# Altium PCB RT1064_V1PCB.PcbDoc (part 2 of 2)
Units mil, origin at the board's own origin, x right, y up, seen from the top; angles counter-clockwise.
Board outline 5700.03 x 3825.07 mil, 4 copper layers (TOP, GND 2, PWR, BOTTOM), stack 23.756 mil thick; 132 components, 133 nets, 526 pads, 141 vias.
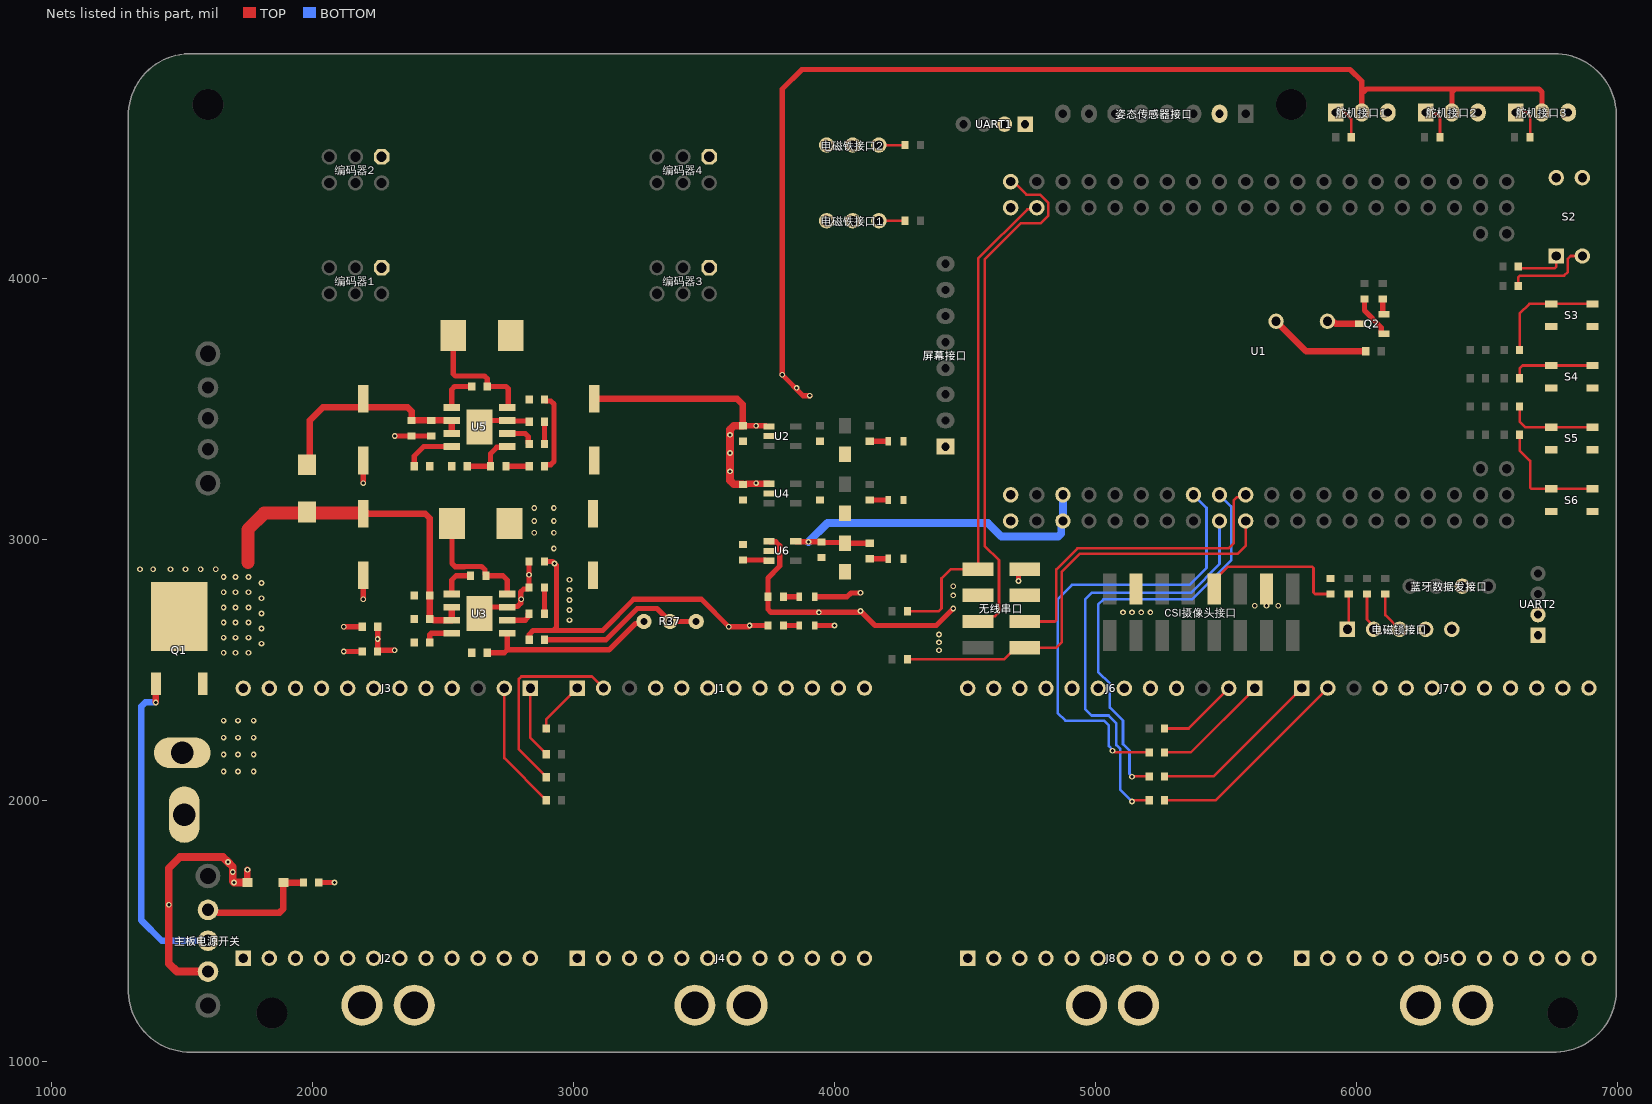
[diagram p4: the nets of this part, all layers, seen from the top]

## Via types
v1: diameter 22, hole 12, TOP to BOTTOM, tented both sides, 141 vias

## Nets (pads, with @x,y where several pads share a name; then routed paths per layer and width w, separated by ;. In a path a pad name is that pad's centre, name@x,y a point inside that pad or via, vN(x,y) a via of type N, cw(c..) or ccw(c..) an arc to the next point about the centre after c; other vN are vias at no path point) (continued)
D13: R13.1 U1.16 | length 1816.6
  TOP w10: v1(5065,2190) 5068.25,2190 5074.91,2183.34 R13.1@5205.48,2183.34
  BOTTOM w10: v1(5065,2190) 5065,2193.25 5051,2207.25 5051,2285.77 5031.77,2305 4885,2305 4855,2335 4855,2770 4910,2825 5360,2825 5425,2890 5425,3120 U1.16@5375,3170
D14: R12.1 U1.17 | length 1684
  TOP w10: v1@5145,2000 R12.1@5205.48,2000
  BOTTOM w10: v1(5140,1995) 5095,2040 5095,2196.77 5080,2211.77 5080,2295 5050,2325 4985,2325 4960,2350 4960,2770 4985,2795 5365,2795 5475,2905 U1.17@5475,3070
D15: R11.1 U1.18 | length 1623.7
  TOP w10: v1@5145,2090 5146.67,2091.67 R11.1@5205.47,2091.67
  BOTTOM w10: v1(5140,2090) 5140,2091.86 5130,2101.86 5130,2190.05 5105,2215.05 5105,2305 5054.76,2355.24 5054.76,2447.26 5010,2492.03 5010,2750 5030,2770 5370,2770 5519.53,2919.53 5519.53,3070 5519.53,3125.47 U1.18@5475,3170
D16: R6.1 U1.19 无线串口.1 | length 1728.8
  TOP w10: R6.1@4279.58,2540 4650.28,2540 4695.28,2585 无线串口.1@4728.74,2585 4850,2585 4870,2605 4870,2875 4940,2945 5545,2945 5575,2975 U1.19@5575,3070
D17: U1.20 无线串口.3 | length 1257.5
  TOP w10: 无线串口.3@4728.74,2685 4844.14,2685 4850,2690.86 4850,2885 4930,2965 5510,2965 5530,2985 5530,3150 5541.01,3161.01 5566.01,3161.01 U1.20@5575,3170
D26: U1.84 无线串口.4 | length 2010.1
  TOP w10: 无线串口.4@4550,2685 4570.59,2705.59 4615.27,2705.59 4630,2720.32 4630,2920 4575,2975 4575,4071.72 4713.28,4210 4790,4210 4819.53,4239.53 4819.53,4288.44 4787.97,4320 4735,4320 4685,4370 U1.84@4675,4370
D27: R7.1 U1.81 无线串口.8 | length 1929.7
  TOP w10: R7.1@4279.53,2724.03 4399.02,2724.03 4410,2735 4410,2850 4445,2885 无线串口.8@4550,2885 ; 无线串口.8@4579.41,2885 无线串口.8@4550,2885 ; U1.81@4775,4270 4768.51,4263.51 4738.51,4263.51 4550,4075 无线串口.8@4550,2885
GND: 3V3电源指示灯.C 5V*EXT电源指示灯.C 5V电源指示灯.C C1.2 C2.1 C6.2 C7.1 C8.1 C13.2 C14.1 C15.1 C17.2 C18.1 C22.1 CSI_3V3电源指示灯.C CSI摄像头接口.3 CSI摄像头接口.13 R4.2 R43.1 R44.1 R45.1 R46.2 R47.2 S2.3 S2.4 S3.1 S4.1 S5.1 S6.1 U1.1 U1.2 U1.83 U2.2 U4.2 U5.0 U5.7 U6.2 UART1.2 UART2.2 姿态传感器接口.2 屏幕接口.1 无线串口.5 无线串口.6 编码器1.1 编码器2.1 编码器3.1 编码器4.1 蓝牙数据发接口.2 | length 546.1
  TOP w20: R46.2@2249.95,2570 R46.2@2249.95,2571.22 ; R47.2@2250,2665 2249.97,2571.25 2253.73,2575 v1(2315,2575) ; U5.0@2640,3430 2665,3455 U5.7@2746.3,3455 2748.8,3452.5 2827.88,3452.5 C22.1@2830.38,3450.01 ; 5V*EXT电源指示灯.C@3924.53,2780 4048.46,2780 4063.08,2794.62 4099.62,2794.62 v1(4100,2795)
  other v1: 4400,2575 4400,2605 2249.97,2618.11 4400,2635 5105,2720 5140,2720 5175,2720 5210,2720 5610,2745 5655,2745 5700,2745 4455,2785 4455,2820
M1+: J2.4 J2.5 J2.6 P5.1
M1-: J2.7 J2.8 J2.9 P5.2
M2+: J4.4 J4.5 J4.6 P10.1
M2-: J4.7 J4.8 J4.9 P10.2
M3+: J8.4 J8.5 J8.6 P17.1
M3-: J8.7 J8.8 J8.9 P17.2
M4+: J5.4 J5.5 J5.6 P13.1
M4-: J5.7 J5.8 J5.9 P13.2
NetB1_1: B1.1 R19.1 | length 391.5
  TOP w25: B1.1@5691.57,3835 5806.57,3720 R19.1@6035.47,3720
NetB1_2: B1.2 Q2.3 | length 130.4
  TOP w25: B1.2@5888.43,3835 5894.94,3828.48 5916.61,3828.48 5920.1,3825 Q2.3@6014.72,3825
NetC3_1: C3.1 L1.1 U3.8 | length 457.1
  TOP w20: L1.1@2534.76,3060 2534.76,2906.72 2546.48,2895 2582.66,2895 2583.41,2895.74 2648.29,2895.74 2660.75,2883.28 2660.75,2864.72 2665,2860.47 C3.1@2664.53,2860 2730,2860 2746.3,2843.7 U3.8@2746.3,2790
NetC3_2: C3.2 U3.1 | length 132.2
  TOP w20: U3.1@2533.7,2790 2533.7,2843.7 2550,2860 C3.2@2605.47,2860
NetC12_2: C12.2 R36.1 | length 100
  TOP w20: R36.1@2889.28,2714.99 C12.2@2889.28,2815
NetC16_1: C16.1 L2.1 U5.8 | length 470.3
  TOP w20: L2.1@2539.76,3780 2539.76,3633.79 2548.55,3625 2659.05,3625 2669.53,3614.53 C16.1@2669.53,3585 2741.21,3585 2750,3576.21 2750,3508.7 U5.8@2746.3,3505
NetC16_2: C16.2 U5.1 | length 150.2
  TOP w20: U5.1@2533.7,3505 2533.7,3573.7 2545,3585 C16.2@2610.47,3585
NetC19_1: C19.1 C20.2 C21.2 D2.K U5.2 U5.3 | length 863
  TOP w25: D2.K@1990,3295.55 1990,3455 2040,3505 C19.1@2195,3505 ; C19.1@2195,3538.11 C19.1@2195,3505 ; C20.2@2380,3454.53 2380,3490.36 2365.35,3505 C19.1@2195,3505 ; C20.2@2380,3455 2455,3455 U5.2@2533.7,3455 U5.3@2533.7,3405
  TOP w30: D2.K@1980,3285.55 D2.K@1990,3295.55
NetC22_2: C22.2 R41.1 | length 85
  TOP w20: R41.1@2889.44,3365 C22.2@2889.44,3450.01
NetD1_A: D1.A R16.2 主板电源开关.1 | length 433.3
  TOP w25: 1638.57,1570 1874.25,1570 1888.9,1584.64 D1.A@1888.9,1685 R16.2@1965.47,1685
NetD1_K: D1.K Q1.3 主板电源开关.3 总电源接口.1 | length 967.9
  TOP w25: D1.K@1751.1,1685 v1(1751.1,1733.9)
  TOP w30: 主板电源开关.3@1600,1343.86 1481.14,1343.86 1450,1375 v1(1450,1600) 1450,1740 1492.24,1782.24 1657.76,1782.24 v1(1676.38,1763.62) 1695,1745 1695,1690 v1(1700,1685) D1.K@1751.1,1685
  other v1: 1695,1725 1660,2110 1715,2110 1775,2110 1660,2175 1715,2175 1775,2175 1660,2240 1715,2240 1775,2240 1660,2305 1715,2305 1775,2305
NetJ1_1: J1.1 R2.2 | length 214.4
  TOP w10: R2.2@2895.47,2265 2895.47,2310.35 J1.1@3015,2429.88
NetJ1_2: J1.2 R3.2 | length 766.4
  TOP w10: R3.2@2895.47,2088.33 2895.47,2090.3 2790.71,2195.06 2790.71,2464.56 2800.56,2474.41 3070.47,2474.41 J1.2@3115,2429.88
NetJ3_1: J3.1 R8.2 | length 277.1
  TOP w10: J3.1@2835.24,2428.82 2835.24,2238.87 2895.47,2178.63 R8.2@2895.47,2176.67
NetJ3_2: J3.2 R9.2 | length 495.2
  TOP w10: J3.2@2735.24,2428.82 2735.24,2162.2 2895.47,2001.97 R9.2@2895.47,2000
NetJ6_1: J6.1 R13.2 | length 447.4
  TOP w10: R13.2@5264.54,2183.34 5364.75,2183.34 J6.1@5610.24,2428.82
NetJ6_2: J6.2 R15.2 | length 313.6
  TOP w10: R15.2@5264.54,2275 5356.42,2275 J6.2@5510.24,2428.82 J6.2@5510.24,2424.6
NetJ7_1: J7.1 R11.2 | length 665.6
  TOP w10: R11.2@5264.53,2091.67 5451.79,2091.67 J7.1@5790,2429.88
NetJ7_2: J7.2 R12.2 | length 803.5
  TOP w10: R12.2@5264.54,2000 5460.12,2000 J7.2@5890,2429.88
NetLED1_A: R48.1 舵机电源指示灯.A | length 61.3
  TOP w20: R48.1@3804.17,2670 舵机电源指示灯.A@3865.47,2670
NetLED2_A: 5V*EXT电源指示灯.A R49.1 | length 60.9
  TOP w20: R49.1@3804.53,2780 5V*EXT电源指示灯.A@3865.47,2780
NetLED3_A: 5V电源指示灯.A R50.1 | length 70.7
  TOP w20: R50.1@4135,2925.42 4135.21,2925.21 4205.26,2925.21 5V电源指示灯.A@4205.47,2925
NetLED4_A: 3V3电源指示灯.A R51.1 | length 70.6
  TOP w20: R51.1@4135,3375.41 4135.2,3375.2 4205.27,3375.2 3V3电源指示灯.A@4205.47,3375
NetLED5_A: CSI_3V3电源指示灯.A R52.1 | length 70.6
  TOP w20: R52.1@4135,3150.4 4135.2,3150.2 4205.27,3150.2 CSI_3V3电源指示灯.A@4205.47,3150
NetP1_7: CSI摄像头接口.7 R4.1 | length 597.9
  TOP w10: CSI摄像头接口.7@5455,2810 5455,2843.46 5506.54,2895 5829.14,2895 5835,2889.14 5835,2795.94 5840.86,2790.08 R4.1@5900,2790.08
NetP2_1: R1.1 电磁铁接口1.1 | length 100.5
  TOP w10: 电磁铁接口1.1@4170,4220 R1.1@4270.45,4220
NetP7_1: R5.1 电磁铁接口2.1 | length 100.5
  TOP w10: 电磁铁接口2.1@4170,4510 R5.1@4270.47,4510
NetP12_1: R10.1 舵机接口2.1 | length 138.3
  TOP w10: 舵机接口2.1@6265,4635 6269.14,4630.86 6304.14,4630.86 6319.53,4615.47 R10.1@6319.53,4539.75
NetP15_1: R14.1 舵机接口3.1 | length 141.4
  TOP w10: 舵机接口3.1@6610,4635 6650,4635 6665,4620 6665,4540.47 R14.1@6664.53,4540
NetP18_1: R18.1 舵机接口1.1 | length 139.4
  TOP w10: 舵机接口1.1@5920,4635 5945,4633.79 5956.79,4633.21 5979.39,4610.61 5979.53,4610.33 5979.53,4606.33 5979.53,4550.74 R18.1@5979.53,4540
NetP29_1: R28.1 电磁锁接口.1 | length 137.3
  TOP w10: 电磁锁接口.1@5965,2655 5970,2660 R28.1@5970,2790.18
NetP29_2: R30.1 电磁锁接口.2 | length 145.5
  TOP w10: R30.1@6040,2790.18 6040,2692.97 6065,2667.97 电磁锁接口.2@6065,2655
NetP29_3: R32.1 电磁锁接口.3 | length 165
  TOP w10: R32.1@6115,2785.18 R32.1@6110,2790.18 6110,2710 电磁锁接口.3@6165,2655
NetQ1_2: Q1.2 主板电源开关.2 | length 1240
  TOP w25: v1(1400,2375) 1400.58,2375.58 Q1.2@1400.58,2446.06
  BOTTOM w25: v1(1400,2375) 1359.64,2375 1345,2360.36 1345,1540 1423.03,1461.97 主板电源开关.2@1600,1461.97
NetQ2_1: Q2.1 R20.1 | length 168.6
  TOP w20: R20.1@6030,3920.42 6030,3912.91 6030,3875.93 6094.61,3811.32 6094.61,3790.39 6097.4,3787.6 Q2.1@6105.28,3787.6
NetQ2_2: Q2.2 R21.1 | length 60.3
  TOP w10: Q2.2@6100,3867.68 Q2.2@6105.28,3862.4
  TOP w20: Q2.2@6100,3867.68 R21.1@6100,3920.47
NetR22_1: R22.1 S2.1 | length 191.6
  TOP w10: R22.1@6619.53,4045 6626.25,4038.27 6759.14,4038.27 6765,4044.13 S2.1@6765,4085
NetR27_1: R27.1 S2.2 | length 342.4
  TOP w10: R27.1@6619.53,3970 6619.53,4004.14 6625.39,4010 6795,4010 6809.53,4024.53 6809.53,4074.53 6820,4085 S2.2@6865,4085
NetR29_1: R29.1 S3.2 | length 434.1
  TOP w10: R29.1@6624.53,3725 6624.53,3864.53 6661.61,3901.61 S3.2@6746.26,3901.61 S3.2@6903.74,3901.61
NetR31_1: R31.1 S4.2 | length 321.6
  TOP w10: R31.1@6624.51,3616.65 6624.51,3654.51 6635.51,3665.51 S4.2@6903.74,3665.51
NetR33_1: R33.1 S5.2 | length 345.8
  TOP w10: R33.1@6624.51,3508.32 6624.51,3450.49 6645.59,3429.41 S5.2@6746.26,3429.41 S5.2@6903.74,3429.41
NetR34_1: R34.1 S6.2 | length 458.8
  TOP w10: R34.1@6624.53,3400 6624.53,3340.47 6665,3300 6665,3199.16 6670.86,3193.31 S6.2@6746.26,3193.31 S6.2@6903.74,3193.31
NetR35_1: R35.1 R37.1 R37.ADJ | length 650.5
  TOP w20: R35.1@2889.53,2615 3125,2615 3244.53,2734.53 3320.47,2734.53 R37.ADJ@3370,2685 R37.1@3470,2685
NetR36_2: R36.2 U3.6 | length 98.5
  TOP w20: U3.6@2746.3,2690 2815,2690 2826.71,2701.72 R36.2@2826.71,2714.99
NetR37_2: R37.2 R39.2 U3.5 | length 713.7
  TOP w20: R39.2@2669.67,2565 2735,2565 2746.3,2576.3 ; U3.5@2746.3,2640 2746.3,2576.3 ; R37.2@3270,2685 3262.53,2677.53 3237.53,2677.53 3136.3,2576.3 2746.3,2576.3
NetR38_2: R38.2 U3.4 | length 115.7
  TOP w20: R38.2@2449.54,2605 2449.54,2634.14 2455.4,2640 U3.4@2533.7,2640
NetR40_1: R40.1 R42.2 | length 89.3
  TOP w20: R42.2@2741.19,3280 R40.1@2830.47,3280
NetR41_2: R41.2 U5.6 | length 115.1
  TOP w20: U5.6@2746.3,3405 2815,3405 2826.71,3393.28 2826.71,3368.67 R41.2@2830.38,3365
NetR42_1: R42.1 R45.2 U5.5 | length 212.5
  TOP w20: R45.2@2592.84,3280 R42.1@2682.13,3280 2682.13,3327.7 2706.63,3352.2 2743.5,3352.2 U5.5@2746.3,3355
NetR43_2: R43.2 U5.4 | length 197
  TOP w20: R43.2@2390.47,3280 2390.47,3318.76 2426.72,3355 U5.4@2533.7,3355
NetR44_2: R44.2 U6.3 | length 100
  TOP w20: R44.2@3650,2920.47 3736.1,2920.47 3738.98,2917.6 U6.3@3748.82,2917.6
PGND: C4.2 C5.1 C9.2 C10.1 C11.1 C12.1 C19.2 C20.1 C21.1 J1.10 J1.11 J1.12 J2.1 J2.2 J2.3 J2.10 J2.11 J2.12 J3.10 J3.11 J3.12 J4.1 J4.2 J4.3 J4.10 J4.11 J4.12 J5.1 J5.2 J5.3 J5.10 J5.11 J5.12 J6.10 J6.11 J6.12 J7.10 J7.11 J7.12 J8.1 J8.2 J8.3 J8.10 J8.11 J8.12 R16.1 R38.1 R39.1 R46.1 R47.1 U3.0 U3.7 总电源接口.2 电磁铁接口1.3 电磁铁接口2.3 电磁锁接口.5 舵机接口1.3 舵机接口2.3 舵机接口3.3 舵机电源指示灯.C | length 956.5
  TOP w20: R16.1@2024.53,1685 v1(2085,1685) ; v1(2120,2570) R46.1@2190.89,2570 ; v1(2120,2665) R47.1@2190.94,2665 ; v1(2195,2770) C9.2@2195,2861.89 ; v1(2195,3215) C19.2@2195,3301.89 ; v1@2315,3395 2315.47,3395.47 C20.1@2380,3395.47 C21.1@2455,3395.47 ; U3.0@2640,2715 2665,2740 U3.7@2746.3,2740 2749.09,2742.8 2785.65,2742.8 2797.8,2754.94 2797.8,2797.54 2809.51,2809.25 2826.45,2809.25 2830.23,2813.03 C12.1@2830.23,2815 ; C12.1@2830.2,2813.06 C5.1@2830.18,2915 ; 舵机电源指示灯.C@3924.53,2670 v1(4000,2670)
  other v1: 2985,2690 2985,2728.75 2985,2767.5 2800,2770 2985,2806.25 2985,2845 2830.2,2864.02 2315.24,3395.24
VCC_5V: C1.1 C2.2 C7.2 C14.2 C17.1 C18.2 L2.2 R40.2 R50.2 U1.5 U1.6 U2.1 U4.1 U6.5 | length 2931.5
  TOP w20: C18.2@2889.43,3535 2889.43,3533.03 2893.21,3529.25 2913.28,3529.25 2925,3517.54 2925,3297.47 2913.28,3285.75 2893.31,3285.75 2889.53,3281.97 R40.2@2889.53,3280 ; C7.2@3650,3434.53 3736.85,3434.53 3738.98,3432.4 U2.1@3748.82,3432.4 ; U6.5@3851.18,2992.4 3852.99,2990.59 3898.87,2990.59 3899.46,2990 v1(3900,2990) ; v1@3900.54,2990 C2.2@3944.52,2990 ; C2.2@3950,2989.53 3952.2,2987.32 4037.8,2987.32 C1.1@4040,2985.12 4040.32,2984.8 4134.68,2984.8 R50.2@4135,2984.48
  TOP w25: C17.1@3080,3538.11 3626.89,3538.11 3647.87,3517.13 3647.87,3435.81 C7.2@3649.15,3434.53 ; C14.2@3648.72,3210.81 C14.2@3650,3209.53 3651.28,3210.81 3663.13,3210.81 3664.72,3212.4 U4.1@3748.82,3212.4
  TOP w30: C14.2@3648.72,3210.81 3614.64,3210.81 3600,3225.45 3600,3419.88 3614.64,3434.53 C7.2@3650,3434.53
  BOTTOM w20: v1(3900,2990) v1@3900.54,2990 ; U1.5@4868.63,3063.63 U1.5@4875,3070
  BOTTOM w30: v1@3900.54,2990 3973.07,3062.53 4587.47,3062.53 4640,3010 4856.91,3010 4868.63,3021.72 U1.5@4868.63,3063.63 ; U1.5@4875,3070 U1.6@4875,3170
  other v1: 3700,3215 3600,3260 3600,3330 3600,3400 3700,3435
VCC_5V_EXT: R49.2 U6.1 UART1.1 UART2.1 无线串口.7 | length 1137
  TOP w20: U6.1@3748.82,2992.4 3750.63,2990.59 3774.98,2990.59 3790.47,2975.1 3790.47,2897.5 3745,2852.03 3745,2780.47 R49.2@3745.47,2780 3745.47,2731.72 3757.19,2720 4094.46,2720 4099.46,2725 v1(4100,2725) 4155,2670 4390,2670 v1(4455,2735) ; v1(4705,2840) 4705,2869.41 4720.59,2885 无线串口.7@4728.74,2885
  other v1: 3940,2720
VCC_Servo: C4.1 C5.2 L1.2 R35.2 R48.2 舵机接口1.2 舵机接口2.2 舵机接口3.2 | length 5831.4
  TOP w20: R35.2@2830.47,2615 2830.47,2635.54 2845.68,2650.74 2923.28,2650.74 ; C5.2@2889.46,2915 2920,2915 2935,2900 2935,2662.46 2923.28,2650.74 ; R48.2@3745.12,2670 3674.46,2670 3669.46,2665 v1(3595,2665) 3490,2770 3231.27,2770 3112.01,2650.74 2923.28,2650.74 ; v1(3905,3550) 3880,3550 v1(3800,3630) 3800,4725 3875,4800 5975,4800 6020,4755 6020,4713.28 舵机接口1.2@6020,4635 ; 6026.57,4713.28 6038.28,4725 6376.72,4725 ; 舵机接口2.2@6365,4635 6365,4713.28 6376.72,4725 ; 舵机接口3.2@6710,4635 6710,4713.28 6698.28,4725 6376.72,4725
  other v1: 3675,2670 2927.5,2907.5 2925,2965 2850,3025 2925,3025 2850,3070 2925,3070 2850,3120 2925,3120 3855,3580
VCCBAT: C9.1 C10.2 C11.2 D2.A J1.4 J1.5 J1.6 J1.7 J1.8 J1.9 J3.4 J3.5 J3.6 J3.7 J3.8 J3.9 J6.4 J6.5 J6.6 J6.7 J6.8 J6.9 J7.4 J7.5 J7.6 J7.7 J7.8 J7.9 Q1.1 U3.2 U3.3 电磁铁接口1.2 电磁铁接口2.2 电磁锁接口.4 | length 1380.3
  TOP w20: C9.1@2193.11,3100 C9.1@2195,3098.11
  TOP w25: C9.1@2195,3098.11 2431.89,3098.11 2449.53,3080.47 C11.2@2449.5,2695.01 ; C11.2@2449.5,2695.01 2449.5,2693.04 2450.78,2691.76 2462.95,2691.76 2464.7,2690 U3.3@2533.7,2690 U3.2@2533.7,2740
  TOP w50: 1752.5,2911.07 1752.5,3037.5 1815,3100 C9.1@2193.11,3100
  other v1: 1660,2565 1705,2565 1755,2565 1805,2600 1660,2623 1705,2623 1755,2623 1805,2658 1660,2681 1705,2681 1755,2681 1805,2716 1660,2739 1705,2739 1755,2739 1805,2774 1660,2797 1705,2797 1755,2797 1805,2832 1660,2855 1705,2855 1755,2855 1340,2885 1390.1,2885 1456,2885 1514,2885 1572,2885 1630,2885
pads on no net: M1.1 M2.1 M3.1 M4.1 U1.3 U1.4 U1.7 U1.8 U1.21 U1.22 U1.28 U1.35 U1.37 U1.48 U1.49 U1.69 U1.73 U1.74 U2.4 U4.4 主板电源开关.0 姿态传感器接口.7 姿态传感器接口.8 编码器1.5 编码器1.6 编码器2.5 编码器2.6 编码器3.5 编码器3.6 编码器4.5 编码器4.6 驱动电源开关.0 驱动电源开关.1

## Polygon pours and split planes (outlines as drawn)
GND on TOP "GND_L01_P038" (solid, remove dead copper, pour order 38): 1295.01,1265.33 1294.96,4619.25 1295.01,4620.05 cw(c1532.6,4622.5) 1525.1,4859.98 6755,4860.09 6755.08,4860.09 cw(c6757.5,4622.5) 6994.98,4629.93 6994.98,1270 cw(c6757.4,1272.5) 6764.82,1035.01 1534.9,1035.01 1534.81,1035.01 cw(c1532.4,1272.49)
PGND on TOP "NONET_L-01_P-001" (solid, remove dead copper, pour order 19): 1305,3430 2340,3430 2340,2940 3045,2940 3050,2935 3185,2935 3212.92,2907.08 3212.92,2827.08 3660,2827.08 3660,2600 3725,2535 6965,2535 6985,2515 6985,1000 1305,1000
VCC_5V on TOP "NONET_L-01_P-001" (solid, remove dead copper, pour order 14): 2710,3840 2710,3705 2850,3705 2870,3685 2870,3510 3055,3510 3055,3480 3110,3480 3110,3600 2870,3840 2705,3840
VCC_Servo on TOP "NONET_L-01_P-001" (solid, remove dead copper, pour order 13): 2705,3145 2705,2980 2835,2980 2865,2950 2865,2890 2880,2875 2985,2875 2985,3035 3080,3035 3100,3055 3100,3160 3050,3160 3035,3145
NetD1_K on TOP "NONET_L-01_P-001" (solid, remove dead copper, pour order 12): 1485,2500 1485,2340 1370,2340 1340,2310 1340,2095 1370,2065 1800,2065 1825,2090 1825,2345 1720,2345 1650,2415 1650,2500
VCCBAT on TOP "NONET_L-01_P-001" (solid, remove dead copper, pour order 8): 1305,2895 1305,2525 1825.41,2525 1875,2656.07 1875,2795 1875,2920 1825,2970 1655,2970 1605,2920 1330,2920
M2+ on TOP "NONET_L-01_P-001" (solid, remove dead copper, pour order 2): 3275,1440 3275,1050 3555,1050 3555,1440
M4- on TOP "NONET_L-01_P-001" (solid, remove dead copper, pour order 7): 6350,1440 6350,1050 6635,1050 6635,1440
M4+ on TOP "NONET_L-01_P-001" (solid, remove dead copper, pour order 6): 6040,1440 6040,1050 6335,1050 6335,1440
M3- on TOP "NONET_L-01_P-001" (solid, remove dead copper, pour order 5): 5070,1440 5070,1045 5365,1045 5365,1440
M3+ on TOP "NONET_L-01_P-001" (solid, remove dead copper, pour order 4): 4765,1440 4765,1045 5050,1045 5050,1440
M2- on TOP "NONET_L-01_P-001" (solid, remove dead copper, pour order 3): 3570,1440 3570,1055 3575,1050 3860,1050 3860,1440
M1- on TOP "NONET_L-01_P-001" (solid, remove dead copper, pour order 1): 2300,1440 2300,1050 2590,1050 2590,1440
M1+ on TOP "NONET_L-01_P-001" (solid, remove dead copper, pour order 0): 1985,1440 1985,1050 2290,1050 2290,1440
M4- on BOTTOM "NONET_L-01_P-001" (solid, pour order 37): 6350,1430 6365,1445 6620,1445 6635,1430 6635,1055 6630,1050 6355,1050 6355,1060 6350,1065
M4+ on BOTTOM "NONET_L-01_P-001" (solid, pour order 36): 6040,1425 6060,1445 6320,1445 6335,1430 6335,1060 6325,1050 6050,1050 6050,1065 6040,1075
M3- on BOTTOM "NONET_L-01_P-001" (solid, pour order 35): 5070,1430 5085,1445 5350,1445 5365,1430 5365,1055 5355,1045 5075,1045 5070,1050
M3+ on BOTTOM "NONET_L-01_P-001" (solid, pour order 34): 4765,1425 4785,1445 5045,1445 5045,1055 5035,1045 4765,1045 4765,1430
M2- on BOTTOM "NONET_L-01_P-001" (solid, pour order 33): 3570,1425 3590,1445 3850,1445 3860,1435 3860,1050 3580,1050 3570,1060
M2+ on BOTTOM "NONET_L-01_P-001" (solid, pour order 32): 3275,1445 3275,1060 3285,1050 3555,1050 3555,1420 3530,1445
M1- on BOTTOM "NONET_L-01_P-001" (solid, pour order 31): 2295,1435 2295,1085 2315,1065 2510,1065 2595,1150 2595,1440 2285,1440
M1+ on BOTTOM "NONET_L-01_P-001" (solid, pour order 30): 1975,1440 1975,1065 2250,1065 2285,1100 2285,1440 1965,1440
GND on BOTTOM "GND_L04_P029" (solid, remove dead copper, pour order 29): 1290,1235 1289.94,4620 1290,4620 cw(c1532.6,4622.5) 1525.1,4865 1525,4865 6755,4865.1 cw(c6757.5,4622.5) 7000,4630 7000,1245 7000.1,1245 cw(c6757.5,1242.5) 6765,1000 1535,1000 1534.89,1000.01 cw(c1532.39,1242.5)
PGND on BOTTOM "NONET_L-01_P-001" (solid, remove dead copper, pour order 20): 1290,3410 2335,3410 2335,2795 2215,2675 2215,2555 2255,2515 2565,2515 2565,2805 2685,2925 3030,2925 3045,2940 3060,2925 3815,2925 4225,2515 6985,2515 6985,1000 1310,1000 1310,3260 1305,3265
NetD1_K on PWR (split plane): 1809.9,1670.1 1635.1,1670.1 1635.1,2324.9 1809.9,2324.9
VCCBAT on PWR (split plane): 6770.64,4839.7 6783.73,4838.51 6796.72,4836.53 6809.57,4833.78 6822.24,4830.25 6834.66,4825.96 6846.8,4820.93 6858.62,4815.17 6870.07,4808.72 6881.11,4801.58 6891.7,4793.79 6901.79,4785.37 6911.37,4776.36 6920.38,4766.79 6928.79,4756.7 6936.58,4746.11 6943.72,4735.07 6950.17,4723.62 6955.93,4711.8 6960.96,4699.66 6965.25,4687.24 6968.78,4674.57 6971.53,4661.72 6973.51,4648.73 6974.7,4635.64 6974.89,4629.53 6974.89,1270 6974.91,1269.74 6974.6,1259.36 6973.41,1246.27 6971.43,1233.28 6968.67,1220.42 6965.14,1207.76 6960.86,1195.34 6955.83,1183.19 6950.07,1171.38 6943.62,1159.93 6936.48,1148.89 6928.69,1138.3 6920.27,1128.2 6911.26,1118.63 6901.69,1109.62 6891.6,1101.21 6881.01,1093.42 6869.97,1086.28 6858.52,1079.82 6846.7,1074.07 6834.56,1069.04 6822.13,1064.75 6809.47,1061.22 6796.62,1058.46 6783.63,1056.49 6770.54,1055.3 6764.41,1055.11 1534.9,1055.11 1534.85,1055.11 1534.81,1055.11 1534.78,1055.11 1534.75,1055.11 1534.67,1055.11 1534.15,1055.06 1532.4,1055 1519.27,1055.4 1506.18,1056.59 1493.19,1058.56 1480.35,1061.32 1467.69,1064.85 1455.28,1069.14 1443.14,1074.16 1431.33,1079.91 1419.88,1086.37 1408.85,1093.5 1398.27,1101.29 1388.18,1109.7 1378.61,1118.7 1369.61,1128.27 1361.2,1138.36 1353.41,1148.94 1346.28,1159.97 1339.82,1171.42 1334.07,1183.23 1329.04,1195.37 1324.76,1207.79 1321.23,1220.44 1318.47,1233.29 1316.5,1246.27 1315.31,1259.36 1315.11,1265.77 1315.05,4618.54 1315.06,4618.64 1315.05,4618.89 1315.05,4619.25 1315.04,4619.36 1315.11,4620.05 1315.09,4620.26 1315.07,4620.26 1315,4622.5 1315.4,4635.64 1316.59,4648.73 1318.57,4661.72 1321.33,4674.58 1324.86,4687.24 1329.14,4699.66 1334.17,4711.81 1339.93,4723.62 1346.38,4735.07 1353.52,4746.11 1361.31,4756.7 1369.73,4766.8 1378.74,4776.37 1388.31,4785.38 1398.4,4793.79 1408.99,4801.58 1420.03,4808.72 1431.48,4815.18 1443.3,4820.93 1455.44,4825.96 1467.87,4830.25 1480.53,4833.78 1493.38,4836.54 1506.37,4838.51 1519.46,4839.7 1525.5,4839.89 6755,4839.99 6755.04,4839.99 6755.08,4839.99 6755.11,4839.99 6755.14,4839.99 6755.23,4839.99 6755.74,4840.05 6757.5,4840.1
VCC_Servo on PWR (split plane): 3934.9,3602.89 3934.9,3485.1 3540,3485.1 3538.05,3484.71 3536.4,3483.6 3535.29,3481.95 3534.9,3480 3534.9,2850 3535.29,2848.05 3536.4,2846.4 3538.05,2845.29 3540,2844.9 3769.9,2844.9 3769.9,2622.11 3762.89,2615.1 3532.11,2615.1 3520.1,2627.11 3520.1,2720 3519.71,2721.95 3518.6,2723.6 3488.6,2753.6 3486.95,2754.71 3485,2755.1 3402.11,2755.1 3368.6,2788.6 3366.95,2789.71 3365,2790.1 2987.11,2790.1 2928.61,2848.6 2928.6,2848.6 2918.6,2858.6 2916.95,2859.71 2915,2860.1 2892.11,2860.1 2870.1,2882.11 2870.1,2930 2869.71,2931.95 2868.6,2933.6 2838.6,2963.6 2836.95,2964.71 2835,2965.1 2722.11,2965.1 2690.1,2997.11 2690.1,3187.89 2737.11,3234.9 3365,3234.9 3366.95,3235.29 3368.6,3236.4 3369.71,3238.05 3370.1,3240 3370.1,3587.89 3437.11,3654.9 3882.89,3654.9
VCC_5V on PWR (split plane): 3969.9,2855.1 3545.1,2855.1 3545.1,3474.9 3969.9,3474.9
3V3 on PWR (split plane): 3639.9,4537.89 3639.9,4065 3639.9,4045 3640.29,4043.05 3641.4,4041.4 4171.4,3511.4 4173.05,3510.29 4175,3509.9 4467.89,3509.9 4469.9,3507.89 4469.9,3405.1 4172.11,3405.1 3691.1,3886.1 3689.45,3887.21 3687.5,3887.6 3607.5,3887.6 1665,3887.6 1663.05,3887.21 1661.4,3886.11 1660.29,3884.45 1659.9,3882.5 1659.9,3302.11 1642.89,3285.1 1400.1,3285.1 1400.1,4577.89 1412.11,4589.9 3587.89,4589.9
CSI_3V3 on PWR (split plane): 4304.9,3132.11 4302.89,3130.1 4070,3130.1 4068.05,3129.71 4066.4,3128.6 4061.5,3123.71 4060.4,3122.06 4060.01,3120.11 4060.01,2945.53 4059.9,2945 4060.01,2944.47 4060.01,2705.11 4060.4,2703.15 4061.5,2701.5 4063.15,2700.4 4065.11,2700.01 5872.78,2700.01 5889.9,2682.89 5889.9,2582.11 5877.89,2570.1 3992.11,2570.1 3980.1,2582.11 3980.1,2850 3980.1,3274.9 4304.9,3274.9
VCC_5V_EXT on PWR (split plane): 4799.9,4637.89 4799.9,4467.11 4777.89,4445.1 4625,4445.1 4623.05,4444.71 4621.4,4443.6 4581.4,4403.6 4580.29,4401.95 4579.9,4400 4579.9,2947.5 4580.29,2945.55 4581.4,2943.9 4583.05,2942.79 4585,2942.4 4586.25,2942.65 4587.5,2942.4 4842.4,2942.4 4842.4,2817.5 4842.79,2815.55 4843.9,2813.9 4845.39,2812.89 4846.4,2811.4 4848.05,2810.29 4850,2809.9 6147.89,2809.9 6191.4,2766.4 6193.05,2765.29 6195,2764.9 6577.89,2764.9 6624.9,2717.89 6624.9,2675 6625.29,2673.05 6626.4,2671.4 6628.05,2670.29 6630,2669.9 6722.89,2669.9 6739.9,2652.89 6739.9,2592.11 6722.89,2575.1 6447.11,2575.1 6420.1,2602.11 6420.1,2680 6419.71,2681.95 6418.6,2683.6 6393.6,2708.6 6391.95,2709.71 6390,2710.1 5875.43,2710.1 5874.89,2710.2 4070.2,2710.2 4070.2,2939.9 4475,2939.9 4476.95,2940.29 4478.6,2941.4 4479.71,2943.05 4480.1,2945 4480.1,3397.89 4498.6,3416.4 4499.71,3418.05 4500.1,3420 4500.1,3490 4499.71,3491.95 4498.6,3493.6 4480.1,3512.11 4480.1,4472.89 4502.11,4494.9 4660,4494.9 4661.95,4495.29 4663.6,4496.4 4693.6,4526.4 4694.71,4528.05 4695.1,4530 4695.1,4647.89 4702.11,4654.9 4782.89,4654.9
CR on PWR (split plane): 3839.9,3367.89 3839.9,2950 3840.29,2948.05 3841.4,2946.4 3851.4,2936.4 3853.05,2935.29 3855,2934.9 3907.89,2934.9 3909.9,2932.89 3909.9,2897.11 3902.89,2890.1 3837.11,2890.1 3830.1,2897.11 3830.1,3100 3829.71,3101.95 3828.6,3103.6 3813.6,3118.6 3811.95,3119.71 3810,3120.1 3720.1,3120.1 3720.1,3147.89 3722.11,3149.9 3785,3149.9 3786.95,3150.29 3788.6,3151.4 3793.6,3156.4 3794.71,3158.05 3795.1,3160 3795.1,3315 3794.71,3316.95 3793.6,3318.6 3791.95,3319.71 3790,3320.1 3727.11,3320.1 3725.1,3322.11 3725.1,3369.9 3837.89,3369.9
VCC_5V_EXT on PWR (split plane): 4489.9,3487.89 4489.9,3422.11 4480.1,3412.31 4480.1,3497.69
3V3 on PWR (split plane): 6414.9,4497.89 6414.9,3377.11 6407.89,3370.1 6125.1,3370.1 6125.1,4504.9 6407.89,4504.9
PGND on GND 2 (split plane): 6829.9,4692.89 6829.9,4557.11 6636.4,4363.6 6635.29,4361.95 6634.9,4360 6634.9,2620 6635.29,2618.05 6636.4,2616.4 6721.4,2531.4 6723.05,2530.29 6725,2529.9 6962.89,2529.9 6969.9,2522.89 6969.9,1232.11 6797.89,1060.1 1522.11,1060.1 1315.11,1267.1 1315.08,3182.87 1397.11,3264.9 2277.89,3264.9 2304.9,3237.89 2304.9,2782.11 2211.4,2688.6 2210.29,2686.95 2209.9,2685 2209.9,2555 2210.29,2553.05 2211.4,2551.4 2251.4,2511.4 2253.05,2510.29 2255,2509.9 2710,2509.9 2711.95,2510.29 2713.6,2511.4 2758.6,2556.4 2759.71,2558.05 2760.1,2560 2760.1,2932.89 2767.11,2939.9 2864.9,2939.9 2864.9,2890 2865.29,2888.05 2866.4,2886.4 2891.4,2861.4 2893.05,2860.29 2895,2859.9 3032.89,2859.9 3331.4,2561.4 3333.05,2560.29 3335,2559.9 3865,2559.9 3866.95,2560.29 3868.6,2561.4 3903.6,2596.4 3904.71,2598.05 3905.1,2600 3905.1,4589.9 3992.89,4589.9 4024.9,4557.89 4024.9,2610 4025.29,2608.05 4026.4,2606.4 4091.4,2541.4 4093.05,2540.29 4095,2539.9 6275,2539.9 6276.95,2540.29 6278.6,2541.4 6323.6,2586.4 6324.71,2588.05 6325.1,2590 6325.1,2699.9 6465,2699.9 6466.95,2700.29 6468.6,2701.4 6528.6,2761.4 6529.71,2763.05 6530.1,2765 6530.1,4365 6529.71,4366.95 6528.6,4368.6 6403.6,4493.6 6401.95,4494.71 6400,4495.1 5887.11,4495.1 5835.1,4547.11 5835.1,4682.89 5882.11,4729.9 6792.89,4729.9
GND on GND 2 (split plane): 159 vertices, not listed, extent 1315,2520.1 6974.89,4840.1
no net on GND 2 (split plane): 1511.7,1056.09 1506.18,1056.59 1493.19,1058.56 1480.35,1061.32 1467.69,1064.85 1455.28,1069.14 1443.14,1074.16 1431.33,1079.91 1419.88,1086.37 1408.85,1093.5 1398.27,1101.29 1388.18,1109.7 1378.61,1118.7 1369.61,1128.27 1361.2,1138.36 1353.41,1148.94 1346.28,1159.97 1339.82,1171.42 1334.07,1183.23 1329.04,1195.37 1324.76,1207.79 1321.23,1220.44 1318.47,1233.29 1316.5,1246.27 1316,1251.8
no net on GND 2 (split plane): 6965.14,1207.76 6960.86,1195.34 6955.83,1183.19 6950.07,1171.38 6943.62,1159.93 6936.48,1148.89 6928.69,1138.3 6920.27,1128.2 6911.26,1118.63 6901.69,1109.62 6891.6,1101.21 6881.01,1093.42 6869.97,1086.28 6858.52,1079.82 6846.7,1074.07 6834.56,1069.04 6822.13,1064.75 6814.96,1062.75 6967.14,1214.93

## Keep-outs
Keep-Out Layer:
  lines w10: 1289.94,4620 1290,1264.99 ccw(c1532.4,1272.49) 1534.9,1030 6764.9,1030 ccw(c6757.4,1272.5) 7000,1275 ; 1290,4620 cw(c1532.6,4622.5) 1525.1,4865 ; 1525,4865 6755,4865.1 cw(c6757.5,4622.5) 7000,4630 7000,1260

## Other copper
TOP:
  pour cut-out: 1315,4475 1665,4475 1665,3845 1315,3845
  pour cut-out: 5645,4595 5645,4760 5645.29,4759.71 5838.67,4759.71 5860,4738.37 5860,4530 5855.39,4530 5790,4595.39 5789.61,4595
  text "深蓝六菱宏光队" at 1447.56,4440 h90 r270
  text "华南师范大学" at 1569.05,4385 h90 r270
  text "2024/3/5" at 1340.62,4289.91 h90 r270
GND 2 (plane layer: these items are gaps in the copper):
  lines w10: 1300,1275 1520,1055 6800,1055 6975,1230 6975,2525 6965,2535 6725,2535 6640,2620 6640,4360 6835,4555 6835,4695 6795,4735 5880,4735 5830,4685 5830,4545 5885,4490 6400,4490 6525,4365 6525,2765 6465,2705 6320,2705 6320,2590 6275,2545 4095,2545 4030,2610 4030,4560 3995,4595 3900,4595 3900,2600 3865,2565 3611.25,2565 3335,2565 3035,2865 2965,2865 2895,2865 2870,2890 2870,2945 2765,2945 2755,2935 2755,2560 2710,2515 2255,2515 2215,2555 2215,2685 2310,2780 2310,3240 2280,3270 1395,3270 1300,3175 1300,1275
PWR (plane layer: these items are gaps in the copper):
  lines w10: 3775,2850 3775,2620 3765,2610 3530,2610 3515,2625 3515,2720 3485,2750 3400,2750 3365,2785 3260,2785 3040.08,2785 2985,2785 2925,2845 2915,2855 2890,2855 2865,2880 2865,2930 2835,2960 2720,2960 2685,2995 2685,3190 2735,3240 3365,3240 3365,3590 3435,3660 3885,3660 3940,3605 3940,3485 ; 3975,3280 4105,3280 4310,3280 4310,3130 4305,3125 4070,3125 4065.11,3120.11 4065.11,2705.11 5874.89,2705.11 5895,2685 5895,2580 5880,2565 3990,2565 3975,2580 3975,2850 ; 4065,2945 4465,2945 4475,2945 4475,4475 4500,4500 4560,4500 4660,4500 4690,4530 4690,4650 4700,4660 4720,4660 4765,4660 4785,4660 4805,4640 4805,4465 4780,4440 4625,4440 4585,4400 4585,2947.5 ; 4587.5,2947.5 4847.5,2947.5 4847.5,2817.5 ; 4850,2815 6150,2815 6195,2770 6580,2770 6630,2720 6630,2675 6725,2675 6745,2655 6745,2590 6725,2570 6445,2570 6415,2600 6415,2680 6390,2705 5875,2705 ; 3975,2850 3540,2850 3540,3480 3975,3480 3975,2850 ; 1395,3280 1395,4580 1410,4595 3590,4595 3645,4540 3645,4065 3645,4045 4175,3515 4470,3515 4495,3490 4495,3420 4475,3400 4170,3400 3687.5,3882.5 3607.5,3882.5 1665,3882.5 1665,3300 1645,3280 1625,3280 1395,3280 ; 1630,1665 1815,1665 1815,2330 1630,2330 1630,1665 ; 3715,3115 3715,3150 3720,3155 3785,3155 3790,3160 3790,3315 3725,3315 3720,3320 3720,3375 3840,3375 3845,3370 3845,2950 3855,2940 3910,2940 3915,2935 3915,2895 3905,2885 3835,2885 3825,2895 3825,3100 3810,3115 3715,3115 ; 6120,3365 6120,4510 6410,4510 6420,4500 6420,3375 6410,3365 6120,3365

## Silkscreen, mask and mechanical layers (free items; w line width, h text height)
Top Overlay:
  lines w10: 2480,4035 2650,4035 ; 2480,4410 2650,4410 ; 2535,3975 2535,4100 ; 2535,4350 2535,4475 ; 2595,3975 2595,4100 ; 2595,4350 2595,4475 ; 2880,4035 3050,4035 ; 2880,4410 3050,4410 ; 2935,3975 2935,4100 ; 2935,4350 2935,4475 ; 2995,3975 2995,4100 ; 2995,4350 2995,4475
  text "C6" at 5895,4703.52 h20
  text "VCC" at 5993.22,4703.52 h20
  text "GND" at 6095,4703.52 h20
  text "C30" at 6240,4703.52 h20
  text "VCC" at 6338.22,4703.52 h20
  text "GND" at 6440,4703.52 h20
  text "C31" at 6590,4703.52 h20
  text "VCC" at 6688.22,4703.52 h20
  text "GND" at 6790,4703.52 h20
  text "VCC" at 5550.07,4543.8 h20
  text "C16" at 4468.86,4517.87 h20
  text "C17" at 4548.86,4517.87 h20
  text "GND" at 4628.86,4517.87 h20
  text "C3" at 2572.13,4423.86 h20 r90
  text "GND" at 2632.13,4423.86 h20 r90
  text "C0" at 2972.13,4423.86 h20 r90
  text "GND" at 3032.13,4423.86 h20 r90
  text "C4" at 2572.13,4343.86 h20 r90
  text "3V3" at 2632.13,4343.86 h20 r90
  text "C1" at 2972.13,4343.86 h20 r90
  text "3V3" at 3032.13,4343.86 h20 r90
  text "C5" at 2572.13,4048.86 h20 r90
  text "GND" at 2632.13,4048.86 h20 r90
  text "C2" at 2972.13,4048.86 h20 r90
  text "GND" at 3032.13,4048.86 h20 r90
  text "C25" at 2572.13,3968.86 h20 r90
  text "3V3" at 2632.13,3968.86 h20 r90
  text "C24" at 2972.13,3968.86 h20 r90
  text "3V3" at 3032.13,3968.86 h20 r90
  text "OFF" at 1320,3705 h50 r270
  text "ON" at 1315,3290 h50 r270
  text "B19" at 6180,2898.52 h20
  text "B18" at 6285,2898.52 h20
  text "GND" at 6383.22,2898.52 h20
  text "VCC" at 6485,2898.52 h20
  text "VCC" at 5730.07,2893.8 h20
  text "VCC" at 4810.07,2873.8 h20
  text "B12" at 6590.02,2860 h20
  text "B13" at 6590.02,2780 h20
  text "GND" at 6590,2700 h20
  text "B14" at 5938.22,2563.52 h20
  text "B16" at 6040,2563.52 h20
  text "B17" at 6145,2563.52 h20
  text "VCC" at 6243.22,2563.52 h20
  text "GND" at 6345,2563.52 h20
  text "D1" at 2720,2490 h20
  text "D0" at 2815,2490 h20
  text "D2" at 2996.69,2490 h20
  text "D3" at 3096.69,2490 h20
  text "D12" at 5490,2487.68 h20
  text "D13" at 5591.69,2487.68 h20
  text "D15" at 5771.69,2487.68 h20
  text "D14" at 5871.69,2487.68 h20
  text "{" at 2523.01,2220 h650 r90
  text "{" at 3801.69,2220 h650 r90
  text "{" at 6583.01,2220 h650 r90
  text "VCCBAT" at 2175,2125 h40
  text "VCCBAT" at 3475,2125 h40
  text "VCCBAT" at 6255,2125 h40
  text "{" at 5313.01,1811.07 h650 r90
  text "VCCBAT" at 4980,1735 h40
  text "ON" at 1323.98,1688.32 h50 r270
  text "OFF" at 1320,1305 h50 r270
  text "M-" at 2515,1205 h30
  text "M+" at 2015,1200 h30
  text "M-" at 3790,1200 h30
  text "M-" at 5290,1200 h30
  text "M+" at 6075,1200 h30
  text "M-" at 6565,1200 h30
  text "M+" at 3290,1195 h30
  text "M+" at 4800,1195 h30
Top Solder:
  rectangle: 1315,3845 1665,4475

## Text inside footprints (layer, text, board x,y; h text height)
P5: Bottom Overlay "+" at 2097.89,1105.76 h20; Bottom Overlay "-" at 2490,1292 h20; Top Overlay "-" at 2470,1292 h20
P10: Bottom Overlay "+" at 3372.89,1105.76 h20; Bottom Overlay "-" at 3765,1292 h20; Top Overlay "-" at 3745,1292 h20
P13: Bottom Overlay "+" at 6152.89,1105.76 h20; Bottom Overlay "-" at 6545,1292 h20; Top Overlay "-" at 6525,1292 h20
P17: Bottom Overlay "+" at 4872.89,1105.76 h20; Bottom Overlay "-" at 5265,1292 h20; Top Overlay "-" at 5245,1292 h20